# Altium PCB LCD驱动板.PcbDoc
Units mil, origin at the board's own origin, x right, y up, seen from the top; angles counter-clockwise.
Board outline 1580.83 x 1975.71 mil, 2 copper layers (Top Layer, Bottom Layer); 36 components, 69 nets, 229 pads, 17 vias.
Unrouted connection lines stored in the file: 26.
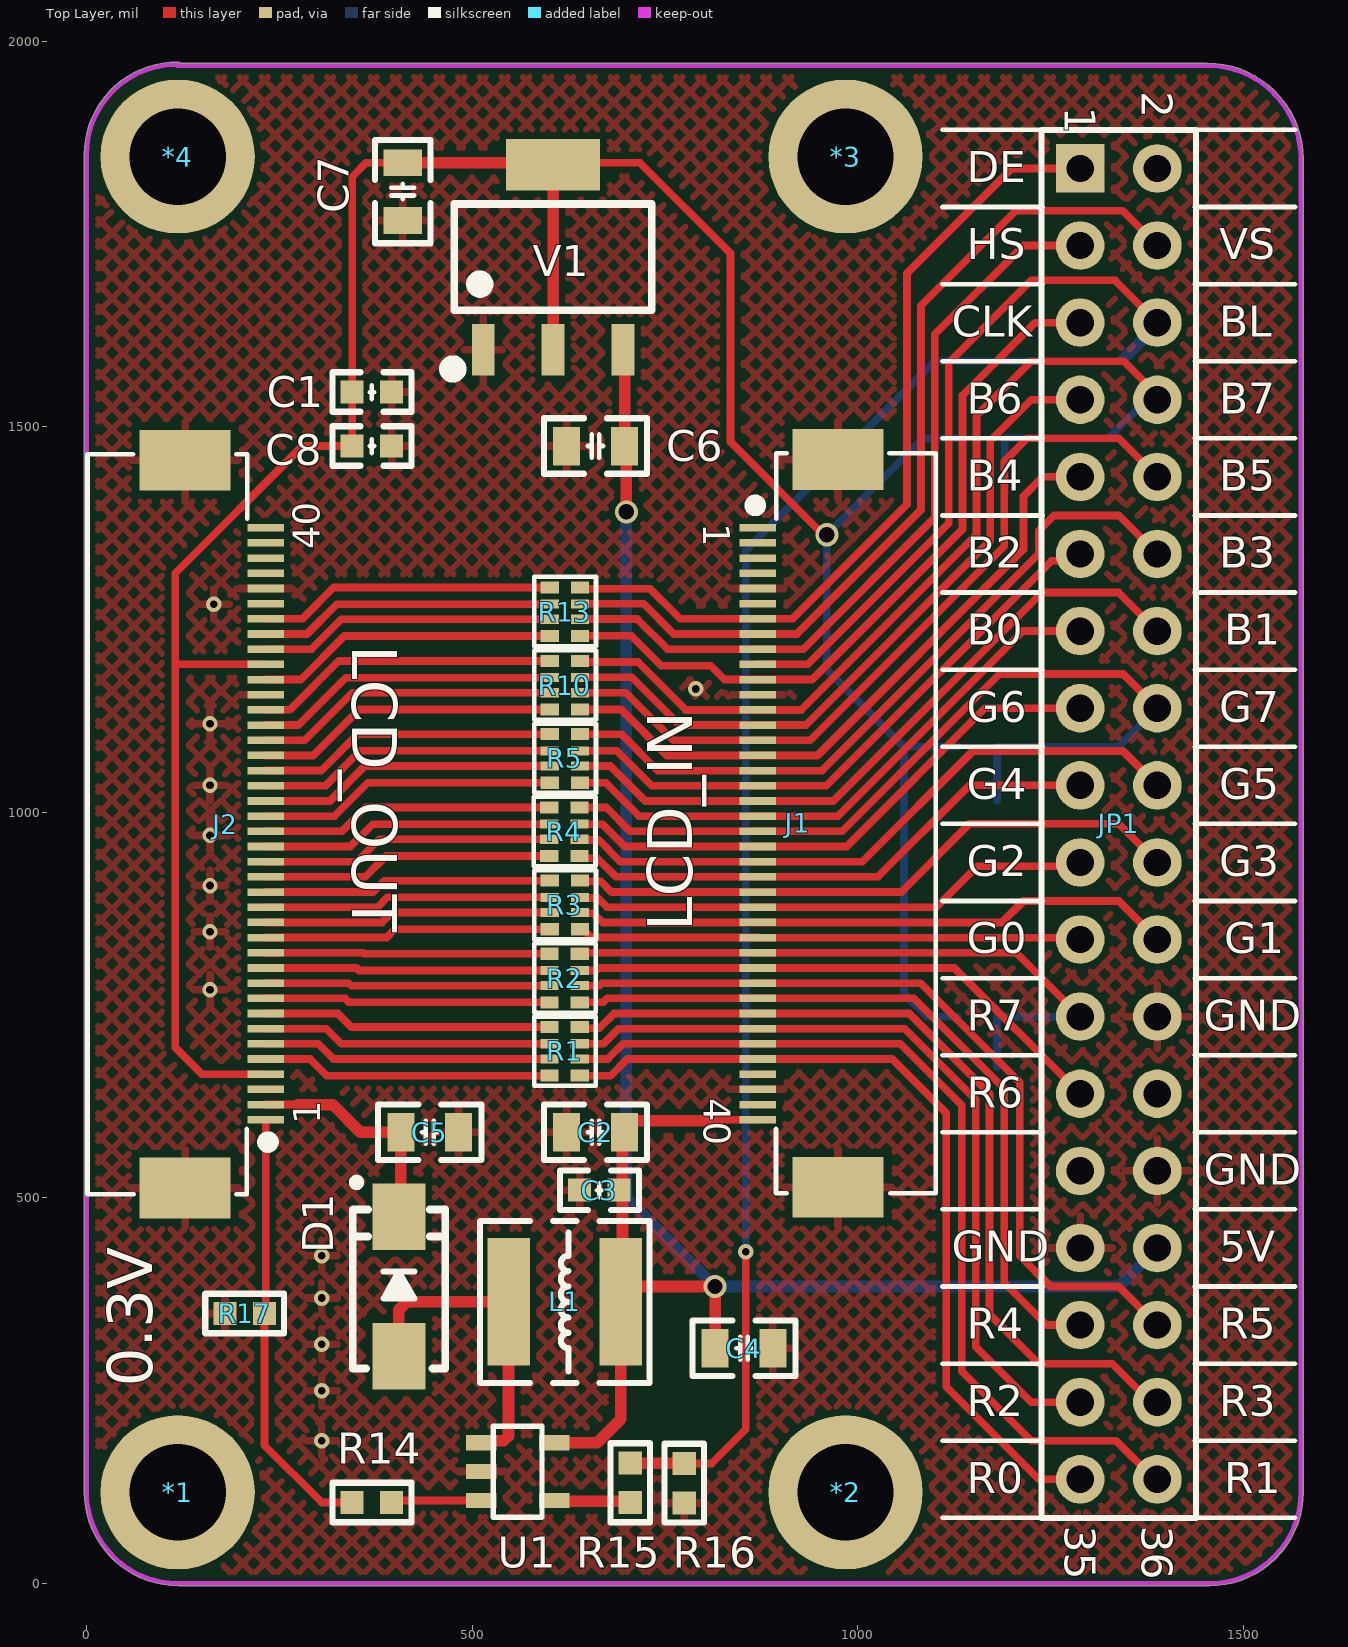
[diagram p0: Top Layer view]
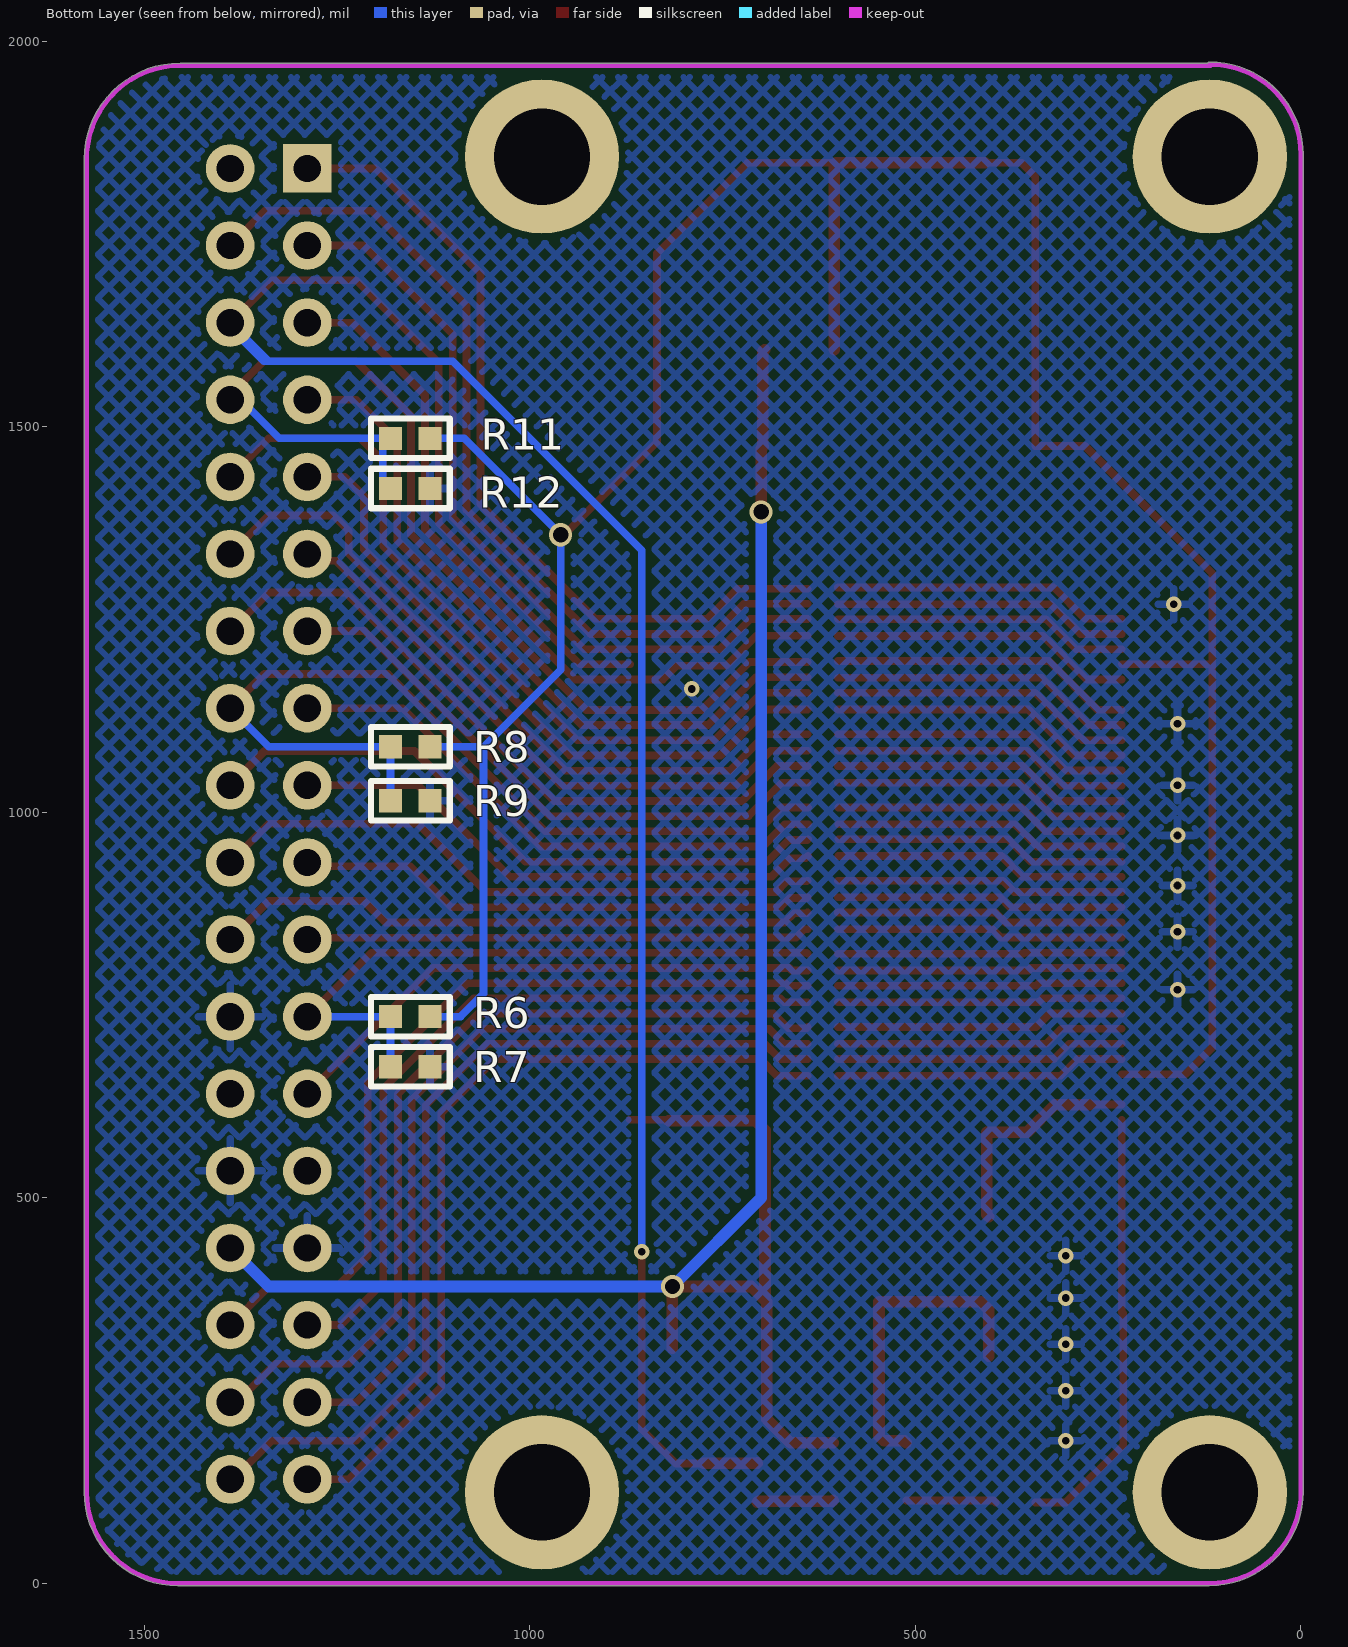
[diagram p1: Bottom Layer view, seen from below]

## Layer stack, top to bottom
Top Solder: solder mask 0.4, Solder Resist, Dk 3.5
Top Layer: signal copper 1.4
Dielectric 1: dielectric 12.6, FR-4, Dk 4.8
Bottom Layer: signal copper 1.4
Bottom Solder: solder mask 0.4, Solder Resist, Dk 3.5

## Board outline
-3.02,118.99 ccw(c118.99,118.99) 119.15,-3.02 ccw(c118.99,118.99) 119.4,-3.01 118.99,-3.02 1456.26,-3.02 ccw(c1456.26,118.55) 1577.82,118.55 1577.82,1846.88 ccw(c1574.8,1846.88) 1577.77,1847.39 ccw(c1453.13,1846.88) 1453.13,1971.52 121.21,1971.52 ccw(c118.82,1969.68) 118.87,1972.7 ccw(c116.97,1852.73) -3.02,1852.73

## Design rules (kind name [scope] priority, off if disabled: settings)
Clearance [All] p1: gap=8 ignorepadtopadclearanceinfootprint=TRUE except(0: Arc-Hole Track-Hole SMDPad-Hole THPad-Hole Via-Hole Fill-Hole Poly-Hole Region-Hole Text-Hole)
PolygonConnect [All] p1: connectstyle=Relief reliefconductorwidth=10 reliefentries=4 polygonreliefangle="90 Angle" airgapwidth=10
RoutingVias [All] p1: holewidth=28 width=50 viastyle="Through Hole" minholewidth=28 minwidth=50 maxholewidth=28 maxwidth=50
SolderMaskExpansion [All] p1: expansion=4 istentingtop=FALSE
Width [All] p1: maxlimit=30 minlimit=8 preferedwidth=10
30 further rules are at their usual default settings.

## Components (designator, comment, footprint, x,y, rotation, side; value= is the part's Value field where it differs from the comment)
*1 "M3" "M3 125X200" 118.11,118.11 r0 top
*2 "M3" "M3 125X200" 984.25,118.11 r0 top
*3 "M3" "M3 125X200" 984.25,1850.39 r0 top
*4 "M3" "M3 125X200" 118.11,1850.39 r0 top
C1 "104" "C 0603_L" 370,1545 r180 top
C2 "106" "C 0805_L" 660,585 r180 top
C3 "104" "C 0603_L" 665,510 r0 top
C4 "106" "C 0805_L" 852.6,305 r180 top
C5 "105" "C 0805_L" 445,585 r180 top
C6 "105" "C 0805_L" 660,1475 r0 top
C7 "105" "C 0805_L" 410,1805 r90 top
C8 "104" "C 0603_L" 370,1475 r180 top
D1 "SS14" SMA 405,385 r90 top
J1 "RGBLCD" FPC-TOP40 866.14,1369.01 r270 top locked
J2 "RGBLCD" FPC-TOP40 236.22,601.3 r90 top locked
JP1 "Header 2X11" HDR2.54-LI-2x18P 1338.58,985 r270 top locked
L1 "22uH" NR5020 620,365 r180 top
R1 "33R" RCA-8P4R-0402 620,690 r90 top
R2 "33R" RCA-8P4R-0402 620,785 r90 top
R3 "33R" RCA-8P4R-0402 620.31,879.84 r90 top
R4 "33R" RCA-8P4R-0402 619.69,974.84 r90 top
R5 "33R" RCA-8P4R-0402 620.31,1069.84 r90 top
R6 "10K" "R 0603_L" 1155,735 r0 bottom
R7 "10K" "R 0603_L" 1154.99,670 r180 bottom
R8 "10K" "R 0603_L" 1155,1085 r0 bottom
R9 "10K" "R 0603_L" 1154.99,1015 r180 bottom
R10 "33R" RCA-8P4R-0402 620.31,1164.84 r90 top
R11 "10K" "R 0603_L" 1155,1485 r0 bottom
R12 "10K" "R 0603_L" 1154.99,1420 r180 bottom
R13 "33R" RCA-8P4R-0402 620.31,1260.16 r90 top
R14 "1K" "R 0603_L" 370,105 r180 top
R15 "10K" "R 0603_L" 705,130.59 r270 top
R16 "100K" "R 0603_L" 775,130 r90 top
R17 "15R" "R 0603_L" 205,350 r0 top
U1 "cat4139" SOT23-5 511.81,182.4 r270 top
V1 "AMS1117-3V3" SOT223_L 605,1720 r0 top

## Footprints (in the part's own frame and the unit in brackets; to place one, negate y for a bottom-side part, rotate by r counter-clockwise, add the part's x,y. Pads: shape width x height; smd on the part's side, far side on the other; paste and mask are expansions set on the pad)
"C 0603_L" [mil] "无极性贴片电容                                       淘宝ID:黄晶宝石"
  rect 30x30 smd: 1(-25.59,0) 2(25.59,0)
  silkscreen extent -51,-26 51,26, body extent -31,-16 31,16, height 32
"C 0805_L" [mil] "无极性贴片电容                                        淘宝ID:黄晶宝石"
  rect 35x50 smd: 1(-37.4,0) 2(37.4,0)
  silkscreen extent -67,-36 67,36, body extent -39,-24 39,24, height 20
FPC-TOP40 [mm]
  rect 0.25x1.2 smd: 1(0,0.102) 2(0.5,0.102) 3(1,0.102) 4(1.5,0.102) 5(2,0.102) 6(2.5,0.102) 7(3,0.102) 8(3.5,0.102) 9(4,0.102) 10(4.5,0.102) 11(5,0.102) 12(5.5,0.102) 13(6,0.102) 14(6.5,0.102) 15(7,0.102) 16(7.5,0.102) 17(8,0.102) 18(8.5,0.102) 19(9,0.102) 20(9.5,0.102) 21(10,0.102) 22(10.5,0.102) 23(11,0.102) 24(11.5,0.102) 25(12,0.102) 26(12.5,0.102) 27(13,0.102) 28(13.5,0.102) 29(14,0.102) 30(14.5,0.102) 31(15,0.102) 32(15.5,0.102) 33(16,0.102) 34(16.5,0.102) 35(17,0.102) 36(17.5,0.102) 37(18,0.102) 38(18.5,0.102) 39(19,0.102) 40(19.5,0.102)
  rect 2x3 smd: A(-2.25,2.754) B(21.725,2.754)
  silkscreen extent -2.45,-0.15 21.92,5.97
HDR2.54-LI-2x18P [mm] "双排排针，18x2脚 淘宝ID:黄晶宝石   店铺网址:https://shop463601444.taobao.com"
  rect 1.6x1.6 hole 0.9: 1(-21.59,-1.27)
  round 1.6 hole 0.9: 2(-21.59,1.27) 3(-19.05,-1.27) 4(-19.05,1.27) 5(-16.51,-1.27) 6(-16.51,1.27) 7(-13.97,-1.27) 8(-13.97,1.27) 9(-11.43,-1.27) 10(-11.43,1.27) 11(-8.89,-1.27) 12(-8.89,1.27) 13(-6.35,-1.27) 14(-6.35,1.27) 15(-3.81,-1.27) 16(-3.81,1.27) 17(-1.27,-1.27) 18(-1.27,1.27) 19(1.27,-1.27) 20(1.27,1.27) 21(3.81,-1.27) 22(3.81,1.27) 23(6.35,-1.27) 24(6.35,1.27) 25(8.89,-1.27) 26(8.89,1.27) 27(11.43,-1.27) 28(11.43,1.27) 29(13.97,-1.27) 30(13.97,1.27) 31(16.51,-1.27) 32(16.51,1.27) 33(19.05,-1.27) 34(19.05,1.27) 35(21.59,-1.27) 36(21.59,1.27)
  silkscreen extent -22.86,-2.54 22.86,2.54, body extent -22.86,-2.54 22.86,2.54, height 8.5
"M3 125X200" [mil] "M3螺丝孔，孔125Mil，焊盘200Mil"
  round 200 hole 125: 1(0,0)
NR5020 [mm] "5.0mm*5.0mm*2.0mm(长*宽*高）"
  rect 1.4x4.2 smd: 1(-1.85,0) 2(1.85,0)
  silkscreen extent -2.79,-2.67 2.79,2.67, body extent -2.5,-2.5 2.5,2.5, height 2.1
"R 0603_L" [mil] "1/10W贴片电阻                 淘宝ID:黄晶宝石"
  rect 30x30 smd: 1(-25.59,0) 2(25.59,0)
  silkscreen extent -51,-26 51,26, body extent -31,-16 31,16, height 16
RCA-8P4R-0402 [mm] "2mm*1mm*0.45mm(长*宽*厚)"
  rect 0.4x0.6 smd: 1(-0.8,-0.5) 4(0.8,-0.5) 5(0.8,0.5) 8(-0.8,0.5)
  rect 0.3x0.6 smd: 2(-0.25,-0.5) 3(0.25,-0.5) 6(0.25,0.5) 7(-0.25,0.5)
  silkscreen extent -1.14,-1.02 1.15,1.01, body extent -1,-0.5 1,0.5, height 0.45
SMA [mm] "4.5x2.6*2.2mm（长宽高，不包括引脚）"
  rect 2.2x1.75 smd: 1(-2.3,0) 2(2.3,0)
  silkscreen extent -2.7,-1.52 3.56,1.52, body extent -2.53,-1.3 2.58,1.3, height 2.15
SOT23-5 [mm] "封装库来自淘宝卖家 ID：黄晶宝石"
  rect 0.5x1 smd: 1(0,0) 2(0.95,0) 3(1.9,0) 4(1.9,2.4) 5(0,2.4)
  silkscreen extent -0.55,0.4 2.45,2, body extent -0.5,-0.2 2.4,2.6, height 1.09
SOT223_L [mm] "6.4x7x1.6mm(长宽高)"
  rect 0.75x1.7 smd: 1(-2.3,-3.048) 2(0,-3.048) 3(2.3,-3.048)
  rect 3.1x1.7 smd: 2(0,3.048)
  silkscreen extent -3.5,-3.88 3.25,1.75, body extent -3.25,-3.51 3.25,3.51, height 1.65

## Part data
*1 *2 *3 *4: "铜柱孔", BOM名称=铜柱孔, 版权归属="封装库来自淘宝 ID：黄晶宝石", 学习资源=https://shop463601444.taobao.com
C1 C2 C3 C4 C5 C6 C7 C8: library part C, "贴片电容", BOM名称=无极性贴片电容, 联系售后=https://shop463601444.taobao.com, 淘宝ID="封装库来自淘宝 ID：黄晶宝石"
D1: "肖特基二极管", BOM名称=肖特基二极管, 封装库来自淘宝 ID：黄晶宝石=https://shop463601444.taobao.com, 属性=40V/1A
J1 J2: library part FPC-40, "FPC-40P-0.5mm"
JP1: library part "Header 18X2", "18*2P接插件", BOM名称=18*2P接插件, 版权归属="封装库来自淘宝 ID：黄晶宝石", 学习资源=https://shop463601444.taobao.com
L1: library part L-NR, "NR磁胶电感", BOM名称=NR磁胶电感, 版权归属="来自淘宝 ID：黄晶宝石", 联系售后=https://shop463601444.taobao.com
R1 R2 R3 R4 R5 R10 R13: library part R-8P4R, "贴片排阻", BOM名称=贴片网络排阻, 版权归属="封装库来自淘宝 ID：黄晶宝石", 联系售后=https://shop463601444.taobao.com
R6 R7 R8 R9 R11 R12 R14 R15 R16 R17: library part R, "贴片电阻", BOM名称=贴片电阻, 版权归属="来自淘宝 ID：黄晶宝石", 联系售后=https://shop463601444.taobao.com
V1: library part AMS1117, "三端稳压芯片", BOM名称=稳压芯片, 欢迎光临淘宝店铺=https://shop463601444.taobao.com, 淘宝ID="封装库来自淘宝 ID：黄晶宝石"

## Via types
v1: diameter 20, hole 10, Top Layer to Bottom Layer, tented both sides, 14 vias
v2: diameter 30, hole 20, Top Layer to Bottom Layer, tented both sides, 3 vias

## Nets (pads, with @x,y where several pads share a name; then routed paths per layer and width w, separated by ;. In a path a pad name is that pad's centre, name@x,y a point inside that pad or via, vN(x,y) a via of type N, cw(c..) or ccw(c..) an arc to the next point about the centre after c; other vN are vias at no path point)
BL_GND: J2.1 R14.2 R17.2 | length 567.2
  Top Layer w10: J2.1 232.22,351.63 R17.2 230.59,179.41 305,105 R14.2
BL_VCC: C5.2 D1.2 J2.2 | length 300.8
  Top Layer w10: J2.2 274.02,620.98
  Top Layer w15: 274.02,620.98 319.02,620.98 355,585 C5.2 407.6,478.15 D1.2
GND: C1.1 C2.2 C3.1 C4.1 C5.1 C6.1 C7.1 C8.1 J1.5 J1.12 J1.38 J1.A J1.B J2.29 J2.36 J2.A J2.B JP1.24 JP1.28 JP1.29 R7.2 R9.2 R12.2 R16.1 R17.1 U1.2 V1.1
  other v1: 305,185 305,250 305,310 305,370 305,425 160,770 160,845 160,905 160,970 160,1035 160,1115 790,1160 165,1270
LCD_B0: J1.20 JP1.13 R5.1 | length 765.9
  Top Layer w10: R5.1 673.14,1038.35 716.48,995 J1.20 974.09,995 1214.09,1235 JP1.13
LCD_B1: J1.19 JP1.14 R5.2 | length 900
  Top Layer w10: R5.2 679.32,1060 724.64,1014.68 J1.19 968.32,1014.68 1238.63,1285 1338.58,1285 JP1.14
LCD_B2: J1.18 JP1.11 R5.3 | length 791.9
  Top Layer w10: R5.3 687.48,1079.68 732.79,1034.37 J1.18 959.37,1034.37 1251.41,1326.41 1280,1326.41 JP1.11
LCD_B3: J1.17 JP1.12 R5.4 | length 943.3
  Top Layer w10: R5.4 693.66,1101.34 740.94,1054.05 J1.17 953.6,1054.05 1235,1335.46 1235,1365 1255,1385 1338.58,1385 JP1.12
LCD_B4: J1.16 JP1.9 R10.1 | length 863.4
  Top Layer w10: R10.1 693.14,1133.35 752.74,1073.74 J1.16 947.83,1073.74 1215,1340.91 1215,1410 1240,1435 JP1.9
LCD_B5: J1.15 JP1.10 R10.2 | length 1021.4
  Top Layer w10: R10.2 699.32,1155 760.9,1093.43 J1.15 938.43,1093.43 1190,1345 1190,1455 1220,1485 1338.58,1485 JP1.10
LCD_B6: J1.14 JP1.7 R10.3 | length 924.9
  Top Layer w10: R10.3@640,1175 707.16,1175 769.05,1113.11 J1.14 932.65,1113.11 1172,1352.46 1172,1482 1225,1535 JP1.7
LCD_B7: J1.13 JP1.8 R10.4 R11.2 R12.1 | length 1360.9
  Top Layer w10: R10.4@640,1195 715,1195 777.2,1132.8 J1.13 926.88,1132.8 1154,1359.91 1154,1514 1225,1585 1345,1585 1388.58,1541.42 JP1.8
  Bottom Layer w10: R11.2@1190,1480 1190.59,1479.41 R12.1@1190.59,1415 ; R11.2@1190,1485 1325,1485 1375,1535 JP1.8
LCD_BL: J1.10 JP1.6 R15.1 R16.2 | length 2908.4
  Top Layer w10: R16.2 810.59,155.59 855,200 855,285 v1(855,430) ; J1.10 935.03,1191.85 1118,1374.82 1118,1583 1225,1690 1333.58,1690 JP1.6
  Top Layer w15: R15.1 705.3,155.88 774.71,155.88 R16.2
  Bottom Layer w10: v1(855,430) 855,1340 1100,1585 1338.58,1585 ; 1338.58,1585 1341.79,1588.21 1385.37,1631.79 JP1.6 1388.58,1628.58 1345,1585 1338.58,1585
LCD_CLK: J1.11 JP1.5 R13.1 | length 965.6
  Top Layer w10: R13.1@640,1229.1 706.36,1229.1 745.46,1190 809.54,1190 827.38,1172.16 J1.11 940.8,1172.16 1136,1367.37 1136,1541 1230,1635 JP1.5
LCD_DE: J1.7 JP1.1 R13.4 | length 1082.2
  Top Layer w10: R13.4@640,1290 730.68,1290 769.77,1250.91 J1.7 915.45,1250.91 1064,1399.46 1064,1699 1200,1835 JP1.1
LCD_G0: J1.28 JP1.21 R3.1 | length 654.1
  Top Layer w10: R3.1 643.94,848.35 654.76,837.52 J1.28 870.22,837.44 1286.14,837.44 JP1.21
LCD_G1: J1.27 JP1.22 R3.2 | length 786.1
  Top Layer w10: R3.2 640.78,869.22 657.2,869.22 669.21,857.2 J1.27 1187.2,857.2 1215,885 1338.58,885 JP1.22
LCD_G2: J1.26 JP1.19 R3.3 | length 678
  Top Layer w10: R3.3 640.78,888.91 662.97,888.91 674.98,876.89 J1.26 1101.89,876.89 1155,930 1283.58,930 JP1.19
LCD_G3: J1.25 JP1.20 R3.4 | length 812
  Top Layer w10: R3.4 640.82,910.52 666.81,910.52 680.75,896.57 J1.25 1056.57,896.57 1145,985 1338.58,985 JP1.20
LCD_G4: J1.24 JP1.17 R4.1 | length 709.6
  Top Layer w10: R4.1 642.24,940.47 662.31,940.47 686.52,916.26 J1.24 1026.26,916.26 1145,1035 JP1.17
LCD_G5: J1.23 JP1.18 R4.2 | length 839.1
  Top Layer w10: R4.2 640.15,964.22 664.02,964.22 692.3,935.94 J1.23 1005.94,935.94 1149.5,1079.5 1344.09,1079.5 JP1.18
LCD_G6: J1.22 JP1.15 R4.3 | length 735.5
  Top Layer w10: R4.3 669.01,984.68 698.07,955.63 J1.22 985.63,955.63 1165,1135 JP1.15
LCD_G7: J1.21 JP1.16 R4.4 R8.2 R9.1 | length 1163.8
  Top Layer w10: R4.4 673.66,1006.34 704.69,975.31 J1.21 979.86,975.31 1184.04,1179.5 1344.09,1179.5 JP1.16
  Bottom Layer w10: R9.1 R8.2 1338.58,1085 JP1.16
LCD_HS: J1.9 JP1.3 R13.2 | length 1020.9
  Top Layer w10: R13.2@640,1250.63 714.37,1250.63 753.47,1211.53 J1.9 929.26,1211.53 1100,1382.28 1100,1620 1215,1735 JP1.3
LCD_R0: J1.36 JP1.35 R1.1 | length 1091.5
  Top Layer w10: R1.1 679.87,658.5 701.41,680.04 J1.36 1044.96,680.04 1115,610 1115,255 1235,135 JP1.35
LCD_R1: J1.35 JP1.36 R1.2 | length 1193
  Top Layer w10: R1.2 676.07,680.16 695.64,699.72 J1.35 1055.28,699.72 1135,620 1135,275 1225,185 1335,185 1385,135 JP1.36
LCD_R2: J1.34 JP1.33 R1.3 | length 1045.4
  Top Layer w10: R1.3 670.3,699.84 689.86,719.41 J1.34 1061.05,719.41 1153,627.46 1153,307 1225,235 JP1.33
LCD_R3: J1.33 JP1.34 R1.4 | length 1133.7
  Top Layer w10: R1.4 641.18,720 665,720 684.09,739.09 J1.33 1066.82,739.09 1171,634.91 1171,349 1235,285 1330,285 1380,235 JP1.34
LCD_R4: J1.32 JP1.31 R2.1 | length 973.9
  Top Layer w10: R2.1 670,753.5 675.27,758.78 J1.32 1072.59,758.78 1190,641.37 1190,390 1245,335 JP1.31
LCD_R5: J1.31 JP1.32 R2.2 | length 1065.8
  Top Layer w10: R2.2 665,775.16 668.31,778.46 J1.31 1081.54,778.46 1210,650 1210,425 1250,385 1338.58,385 JP1.32
LCD_R6: J1.30 JP1.25 R2.3 | length 717.8
  Top Layer w10: R2.3 660,794.84 663.31,798.15 J1.30 1125.43,798.15 JP1.25
LCD_R7: J1.29 JP1.23 R2.4 R6.2 R7.1 | length 856.8
  Top Layer w10: R2.4 640.94,817.76 J1.29 J1.29 1205.75,817.83 JP1.23
  Bottom Layer w10: R7.1 R6.2 JP1.23
LCD_VS: J1.8 JP1.4 R13.3 | length 1166
  Top Layer w10: R13.3@640,1270.32 722.52,1270.32 761.62,1231.22 J1.8 921.22,1231.22 1082,1392 1082,1657 1205,1780 1343.58,1780 JP1.4
NetD1_1: D1.1 L1.2 U1.1 | length 419.7
  Top Layer w15: D1.1 405,355 415,365 L1.2 547.17,191.19 540.72,184.74 514.15,184.74 U1.1
NetR14_1: R14.1 U1.3 | length 117.3
  Top Layer w10: R14.1 398.19,107.6 U1.3
NetR15_2: R15.2 U1.4 | length 99.8
  Top Layer w15: U1.4 607.6,106.3 703.7,106.3 R15.2
TFT_B0: J2.21 R5.8 | length 386.4
  Top Layer w10: J2.21 321.37,995 364.71,1038.35 R5.8
TFT_B1: J2.22 R5.7 | length 387.2
  Top Layer w10: J2.22 315.6,1014.68 360.91,1060 R5.7
TFT_B2: J2.23 R5.6 | length 387.2
  Top Layer w10: J2.23 309.83,1034.37 355.14,1079.68 R5.6
TFT_B3: J2.24 R5.5 | length 388
  Top Layer w10: J2.24 232.3,1054.13 304.13,1054.13 351.34,1101.34 R5.5
TFT_B4: J2.25 R10.8 | length 393.1
  Top Layer w10: J2.25 293.74,1073.74 353.35,1133.35 R10.8
TFT_B5: J2.26 R10.7 | length 393.9
  Top Layer w10: J2.26 282.8,1093.43 344.38,1155 R10.7
TFT_B6: J2.27 R10.6 | length 393.9
  Top Layer w10: J2.27 274.65,1113.11 336.22,1174.68 R10.6
TFT_B7: J2.28 R10.5 | length 394.7
  Top Layer w10: J2.28 232.3,1132.87 263.79,1132.87 327.25,1196.34 R10.5
TFT_CLK: J2.30 R13.8 | length 391.8
  Top Layer w10: J2.30 277.62,1172.16 334.12,1228.66 R13.8
TFT_DE: J2.34 R13.5 | length 385.3
  Top Layer w10: J2.34 280,1250.91 320.75,1291.65 R13.5
TFT_G0: J2.13 R3.8 | length 372.9
  Top Layer w10: J2.13 388.89,837.52 399.71,848.35 R3.8
TFT_G1: J2.14 R3.7 | length 373.7
  Top Layer w10: J2.14 383.12,857.2 395.91,870 R3.7
TFT_G2: J2.15 R3.6 | length 373.7
  Top Layer w10: J2.15 377.34,876.89 390.14,889.68 R3.6
TFT_G3: J2.16 R3.5 | length 374.5
  Top Layer w10: J2.16 232.3,896.65 371.65,896.65 386.34,911.34 R3.5
TFT_G4: J2.17 R4.8 | length 379
  Top Layer w10: J2.17 361.26,916.26 388.35,943.35 R4.8
TFT_G5: J2.18 R4.7 | length 379.8
  Top Layer w10: J2.18 350.32,935.94 379.38,965 R4.7
TFT_G6: J2.19 R4.6 | length 379.8
  Top Layer w10: J2.19 342.17,955.63 371.22,984.68 R4.6
TFT_G7: J2.20 R4.5 | length 380.6
  Top Layer w10: J2.20 331.23,975.31 362.25,1006.34 R4.5
TFT_HS: J2.32 R13.7 | length 384.5
  Top Layer w10: J2.32 291.54,1211.53 330.32,1250.32 R13.7
TFT_R0: J2.5 R1.8 | length 377
  Top Layer w10: J2.5 232.26,680 290,680 311.5,658.5 R1.8
TFT_R1: J2.6 R1.7 | length 376.2
  Top Layer w10: J2.6 300.28,699.72 319.84,680.16 R1.7
TFT_R2: J2.7 R1.6 | length 376.2
  Top Layer w10: J2.7 310.59,719.41 330.16,699.84 R1.6
TFT_R3: J2.8 R1.5 | length 375.4
  Top Layer w10: J2.8 325.91,739.09 343.5,721.5 R1.5
TFT_R4: J2.9 R2.8 | length 370.3
  Top Layer w10: J2.9 335,758.78 340.27,753.5 R2.8
TFT_R5: J2.10 R2.7 | length 369.5
  Top Layer w10: J2.10 340,778.46 343.31,775.16 R2.7
TFT_R6: J2.11 R2.6 | length 369.5
  Top Layer w10: J2.11 350,798.15 353.31,794.84 R2.6
TFT_R7: J2.12 R2.5 | length 368.6
  Top Layer w10: J2.12 358.66,817.83 360,816.5 R2.5
TFT_VS: J2.33 R13.6 | length 384.5
  Top Layer w10: J2.33 285.77,1231.22 324.55,1270 R13.6
VCC5.0: C2.1 C3.2 C4.2 C6.2 J1.40 JP1.30 L1.1 U1.5 V1.3 | length 2725.1
  Top Layer w10: 820,600 821.3,601.3 J1.40
  Top Layer w15: U1.5 662.4,182.4 692.83,212.83 L1.1 ; V1.3 697.78,1597.78 C6.2@697.78,1475 ; C6.2 700,1472.4 v2(700,1389.55) ; C4.2 815.1,305.1 815.1,384.9 v2(815,385) 712.83,385 L1.1 ; 820,600 707.4,600 695,587.6 695,367.17 L1.1
  Bottom Layer w15: v2(700,1389.55) 700,500 v2(815,385) 1338.58,385 JP1.30
VDD3.3: C1.2 C7.2 C8.2 J2.4 J2.31 R6.1 R8.1 R11.1 V1.2 | length 3730.7
  Top Layer w10: J2.4 149.65,660.35 115,695 115,1195 ; J2.31 118.15,1191.85 115,1195 ; C7.2 362.4,1842.4 344.41,1824.41 C1.2 C8.2 280,1475 115,1310 115,1195 ; V1.2@602.6,1842.4 717.6,1842.4 835,1725 835,1480.35 955.35,1360 v2(960,1360)
  Top Layer w15: C7.2 602.6,1842.4 605,1840 V1.2@605,1600
  Bottom Layer w10: R6.1 1090,735 1060,765 1060,1085 ; R8.1 1060,1085 ; R11.1 1085,1485 v2(960,1360) 960,1185 1060,1085
X+: J2.39
X-: J2.37
Y+: J2.40
Y-: J2.38
pads on no net: *1.1 *2.1 *3.1 *4.1 J1.1 J1.2 J1.3 J1.4 J1.6 J1.37 J1.39 J2.3 J2.35 JP1.2 JP1.26 JP1.27

## Polygon pours and split planes (outlines as drawn)
GND on Top Layer "NONET_L01_P-001" (hatched 45Degree grid 20 track 8, remove dead copper, pour order 0): -60,2095 -60,25 25,-60 1625,-60 1625,2080 1610,2095
GND on Bottom Layer "NONET_L01_P-001" (hatched 45Degree grid 20 track 8, remove dead copper, pour order 1): -65,2040 -60,2035 -60,-160 1665,-160 1700,-125 1700,2015

## Keep-outs
Keep-Out Layer:
  lines w6: 0,118.99 0,1852.73 ; 0.01,120.87 ccw(c118.99,118.99) 119.39,0 ; 0,1852.34 cw(c116.97,1852.73) 118.82,1969.68 ; 116.97,1968.5 1453.13,1968.5 ; 118.99,0 1456.26,0 ; 1452.73,1968.5 cw(c1453.13,1846.88) 1574.75,1844.95 ; 1454.38,0.01 ccw(c1456.26,118.55) 1574.8,118.94 ; 1574.8,118.55 1574.8,1846.88

## Silkscreen, mask and mechanical layers (free items; w line width, h text height)
Top Overlay:
  lines w6: 1110,85 1240,85 ; 1110,185 1240,185 ; 1110,285 1240,285 ; 1110,385 1240,385 ; 1110,485 1240,485 ; 1110,585 1240,585 ; 1110,685 1240,685 ; 1110,785 1240,785 ; 1110,885 1240,885 ; 1110,985 1240,985 ; 1110,1085 1240,1085 ; 1110,1185 1240,1185 ; 1110,1285 1240,1285 ; 1110,1385 1240,1385 ; 1110,1485 1240,1485 ; 1110,1585 1240,1585 ; 1110,1685 1240,1685 ; 1110,1785 1240,1785 ; 1110,1885 1240,1885 ; 1437.17,85 1567.17,85 ; 1437.17,185 1567.17,185 ; 1437.17,285 1567.17,285 ; 1437.17,385 1567.17,385 ; 1437.17,485 1567.17,485 ; 1437.17,585 1567.17,585 ; 1437.17,685 1567.17,685 ; 1437.17,785 1567.17,785 ; 1437.17,885 1567.17,885 ; 1437.17,985 1567.17,985 ; 1437.17,1085 1567.17,1085 ; 1437.17,1185 1567.17,1185 ; 1437.17,1285 1567.17,1285 ; 1437.17,1385 1567.17,1385 ; 1437.17,1485 1567.17,1485 ; 1437.17,1585 1567.17,1585 ; 1437.17,1685 1567.17,1685 ; 1437.17,1785 1567.17,1785 ; 1437.17,1885 1567.17,1885
  text "DE" at 1141.68,1817.01 h40
  text "HS" at 1141.68,1717.01 h40
  text "VS" at 1468.84,1717.01 h40
  text "CLK" at 1121.68,1617.01 h40
  text "BL" at 1468.84,1617.01 h40
  text "B6" at 1141.68,1517.01 h40
  text "B7" at 1468.84,1517.01 h40
  text "B4" at 1141.68,1417.01 h40
  text "B5" at 1468.84,1417.01 h40
  text "B2" at 1141.68,1317.01 h40
  text "B3" at 1468.84,1317.01 h40
  text "LCD_OUT" at 324.79,1216.83 h100 r270
  text "B0" at 1141.68,1217.01 h40
  text "B1" at 1475.51,1217.01 h40
  text "G6" at 1141.68,1117.01 h40
  text "G7" at 1468.84,1117.01 h40
  text "G4" at 1141.68,1017.01 h40
  text "G5" at 1468.84,1017.01 h40
  text "G2" at 1141.68,917.01 h40
  text "G3" at 1468.84,917.01 h40
  text "LCD_IN" at 805.21,845.48 h100 r90
  text "G0" at 1141.68,817.01 h40
  text "G1" at 1475.51,817.01 h40
  text "R7" at 1141.68,717.01 h40
  text "GND" at 1448.85,717.01 h40
  text "R6" at 1141.68,617.01 h40
  text "GND" at 1448.85,517.01 h40
  text "GND" at 1121.68,417.01 h40
  text "5V" at 1468.84,417.01 h40
  text "R4" at 1141.68,317.01 h40
  text "R5" at 1468.84,317.01 h40
  text "0.3V" at 104.38,254.86 h100 r90
  text "R2" at 1141.68,217.01 h40
  text "R3" at 1468.84,217.01 h40
  text "R0" at 1141.68,117.01 h40
  text "R1" at 1475.51,117.01 h40

## Text inside footprints (layer, text, board x,y; h text height)
J1: Top Overlay "40" at 800.14,629.02 h35 r270; Top Overlay "1" at 799.57,1374.6 h35 r270
J2: Top Overlay "1" at 302.8,595.72 h35 r90; Top Overlay "40" at 302.22,1341.3 h35 r90
JP1: Top Overlay "36" at 1368.58,75 h40 r270; Top Overlay "35" at 1268.58,75 h40 r270; Top Overlay "1" at 1268.58,1915 h40 r270; Top Overlay "2" at 1368.58,1935 h40 r270